# Altium PCB HV_DAC_8ch-DIOT.PCBDOC (part 4 of 11) (continued)
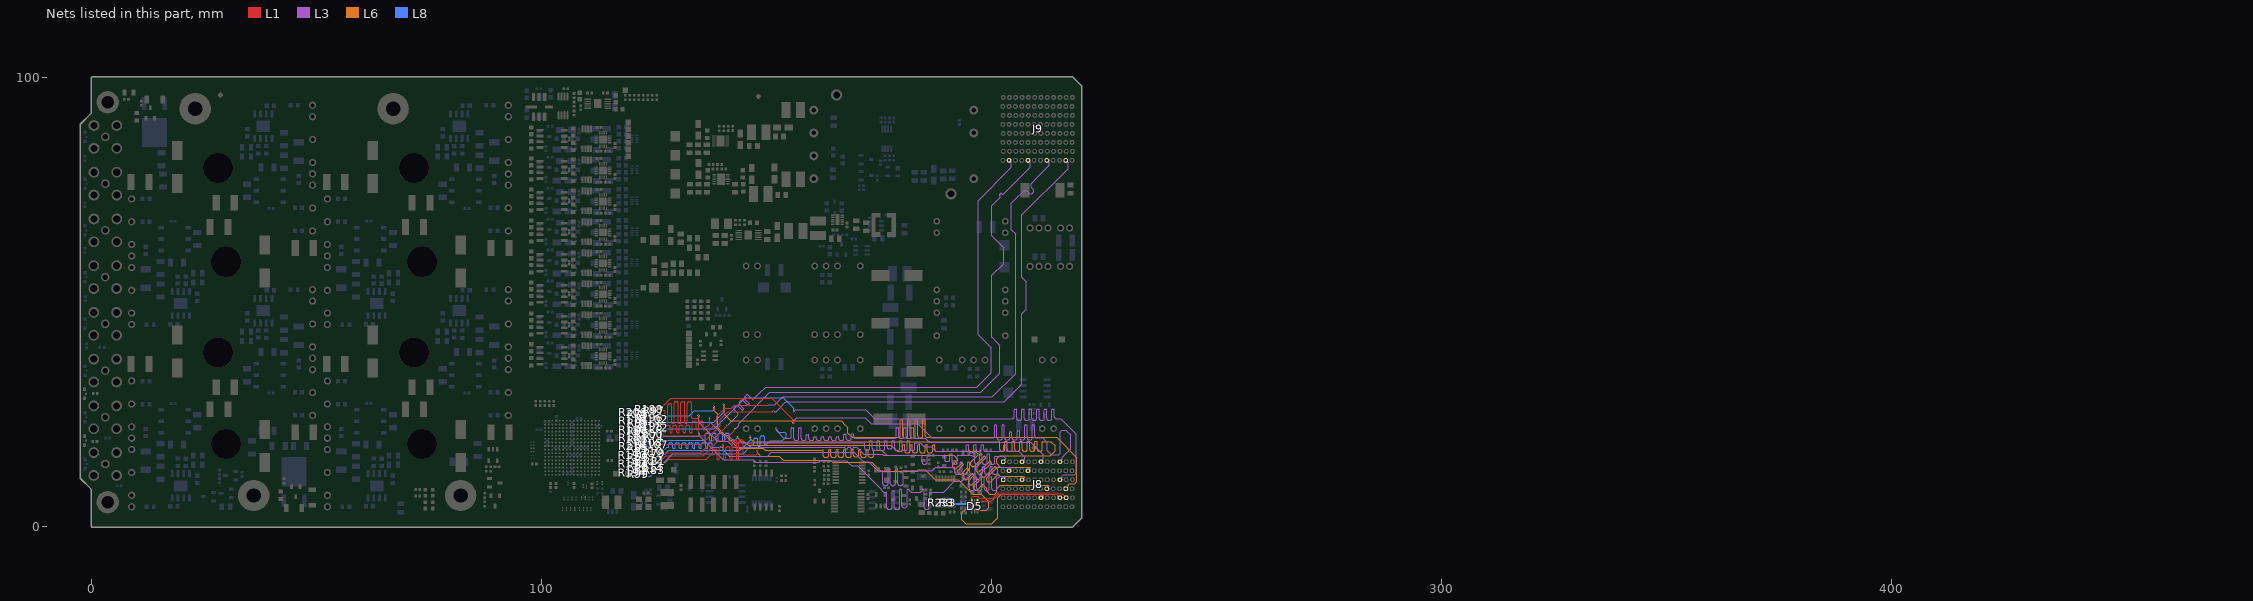
[diagram p10: the nets of this part, all layers, seen from the top]
## Nets (pads, with @x,y where several pads share a name; then routed paths per layer and width w, separated by ;. In a path a pad name is that pad's centre, name@x,y a point inside that pad or via, vN(x,y) a via of type N, cw(c..) or ccw(c..) an arc to the next point about the centre after c; other vN are vias at no path point) (continued)
  L8 w0.1: R206.2@120.675,25.451 120.695,25.451 120.855,25.291 120.855,25.26 120.914,25.201 121.207,25.201 121.266,25.26 121.266,25.318 121.506,25.558 R75.1@121.526,25.558 121.546,25.558 121.786,25.318 121.786,25.26 121.845,25.201 122.133,25.201 122.644,24.691 132.87,24.691 133.979,25.8 138.1,25.8 138.42,26.12 138.42,26.591 138.27,26.741 v1(138.27,26.8)
BP_IO.LVDS_N1: J8.B3 R95.1 R176.2 | length 147.1
  L6 w0.1: v1(140.473,27.3) 140.473,27.219 140.57,27.121 140.57,25.06 142.06,23.57 166.66,23.57 167.565,22.665 168.1,22.13 168.1,20.862 169.062,19.9 175.8,19.9 179.353,19.9 ccw(c179.353,20.333) 179.786,20.333 179.786,23.693 cw(c179.886,23.693) 179.886,23.793 180.188,23.793 cw(c180.188,23.693) 180.288,23.693 180.288,20.233 ccw(c180.721,20.233) 180.721,19.8 181.022,19.8 ccw(c181.022,20.233) 181.455,20.233 181.455,23.693 cw(c181.555,23.693) 181.555,23.793 181.856,23.793 cw(c181.856,23.693) 181.957,23.693 181.957,20.233 ccw(c182.389,20.233) 182.389,19.8 182.691,19.8 ccw(c182.691,20.233) 183.123,20.233 183.123,23.693 cw(c183.224,23.693) 183.224,23.793 183.525,23.793 cw(c183.525,23.693) 183.625,23.693 183.625,20.233 ccw(c184.058,20.233) 184.058,19.8 184.359,19.8 ccw(c184.359,20.233) 184.792,20.233 184.792,23.693 cw(c184.892,23.693) 184.892,23.793 185.194,23.793 cw(c185.194,23.693) 185.294,23.693 185.294,20.333 ccw(c185.727,20.333) 185.727,19.9 186.9,19.9 214.3,19.9 214.5,19.9 219,15.4 219,10.1 218.532,9.632 217.684,9.632 217.326,9.632 217.073,9.379 217.073,9.034 J8.B3@216.539,8.5
  L8 w0.1: R176.2@120.688,23.571 120.708,23.571 120.868,23.411 120.868,23.38 120.944,23.304 121.207,23.304 121.266,23.362 121.266,23.42 121.506,23.66 R95.1@121.526,23.66 121.546,23.66 121.786,23.42 121.786,23.362 121.845,23.304 138.304,23.304 140.623,25.623 140.623,27.091 140.473,27.241 v1(140.473,27.3)
BP_IO.LVDS_N2: J8.C4 R96.1 R180.2 | length 145.9
  L3 w0.1: v1(156.227,25.5) 156.227,25.581 156.13,25.679 156.13,25.85 156.38,26.1 172.03,26.1 173.065,25.065 174.03,24.1 204.487,24.1 204.703,24.1 ccw(c204.703,24.533) 205.136,24.533 205.136,26.105 cw(c205.236,26.105) 205.236,26.205 205.538,26.205 cw(c205.538,26.105) 205.638,26.105 205.638,24.133 ccw(c206.071,24.133) 206.071,23.7 206.372,23.7 ccw(c206.372,24.133) 206.805,24.133 206.805,26.105 cw(c206.905,26.105) 206.905,26.205 207.206,26.205 cw(c207.206,26.105) 207.307,26.105 207.307,24.133 ccw(c207.739,24.133) 207.739,23.7 208.04,23.7 ccw(c208.04,24.133) 208.473,24.133 208.473,26.105 cw(c208.574,26.105) 208.574,26.205 208.875,26.205 cw(c208.875,26.105) 208.975,26.105 208.975,24.133 ccw(c209.408,24.133) 209.408,23.7 209.709,23.7 ccw(c209.709,24.133) 210.142,24.133 210.142,26.105 cw(c210.242,26.105) 210.242,26.205 210.543,26.205 cw(c210.543,26.105) 210.644,26.105 210.644,24.133 ccw(c211.076,24.133) 211.076,23.7 211.378,23.7 ccw(c211.378,24.133) 211.81,24.133 211.81,26.105 cw(c211.911,26.105) 211.911,26.205 212.212,26.205 cw(c212.212,26.105) 212.312,26.105 212.312,24.133 ccw(c212.745,24.133) 212.745,23.7 213.046,23.7 ccw(c213.046,24.133) 213.479,24.133 213.479,26.105 cw(c213.579,26.105) 213.579,26.205 213.881,26.205 cw(c213.881,26.105) 213.981,26.105 213.981,24.533 ccw(c214.414,24.533) 214.414,24.1 215,24.1 215.4,24.1 216.871,22.629 218.9,20.6 218.9,12 218.532,11.632 216.067,11.632 215.773,11.338 215.773,11.034 J8.C4@215.239,10.5
  L8 w0.1: R180.2@120.726,21.641 120.746,21.641 120.906,21.481 120.906,21.457 120.965,21.399 121.233,21.399 121.291,21.457 121.291,21.515 121.531,21.755 R96.1@121.551,21.755 121.571,21.755 121.811,21.515 121.811,21.457 121.87,21.399 122.042,21.399 122.443,21.8 138.379,21.8 145.306,28.727 153.694,28.727 156.077,26.344 156.077,25.709 156.227,25.559 v1(156.227,25.5)
BP_IO.LVDS_N3: J8.L4 R37.1 R184.2 | length 146.3
  L3 w0.1: v1(134.973,21) 134.973,20.919 135.07,20.821 135.07,20.26 137.365,17.965 140.362,14.968 147.062,14.968 147.265,14.765 147.63,14.4 161.7,14.4 162,14.7 167.8,14.7 168.2,14.3 168.932,13.568 170.295,13.568 175.5,8.362 175.55,8.312 176.095,7.768 176.673,7.768 cw(c176.673,7.667) 176.774,7.667 176.774,4.366 ccw(c177.207,4.366) 177.207,3.933 177.508,3.933 ccw(c177.508,4.366) 177.94,4.366 177.94,7.903 cw(c178.041,7.903) 178.041,8.003 178.342,8.003 cw(c178.342,7.903) 178.442,7.903 178.442,4.366 ccw(c178.875,4.366) 178.875,3.933 179.176,3.933 ccw(c179.176,4.366) 179.609,4.366 179.609,8.267 cw(c179.709,8.267) 179.709,8.368 180.011,8.368 cw(c180.011,8.267) 180.111,8.267 180.111,4.757 ccw(c180.544,4.757) 180.544,4.325 180.845,4.325 ccw(c180.845,4.757) 181.278,4.757 181.278,8.267 cw(c181.378,8.267) 181.378,8.368 181.679,8.368 cw(c181.679,8.267) 181.78,8.267 181.78,8.2 ccw(c182.212,8.2) 182.212,7.768 184.182,7.768 ccw(c184.182,8.2) 184.615,8.2 184.615,8.267 cw(c184.715,8.267) 184.715,8.368 185.016,8.368 cw(c185.016,8.267) 185.117,8.267 185.117,4.366 ccw(c185.55,4.366) 185.55,3.933 185.851,3.933 ccw(c185.851,4.366) 186.283,4.366 186.283,7.667 cw(c186.384,7.667) 186.384,7.768 186.6,7.768 189.368,7.768 191.8,10.2 193.4,10.2 194.084,10.884 194.1,10.9 194.964,10.9 cw(c194.964,10.8) 195.065,10.8 195.065,8.579 ccw(c195.498,8.579) 195.498,8.147 195.799,8.147 ccw(c195.799,8.579) 196.231,8.579 196.231,11.021 cw(c196.332,11.021) 196.332,11.121 196.633,11.121 cw(c196.633,11.021) 196.733,11.021 196.733,8.579 ccw(c197.166,8.579) 197.166,8.147 197.467,8.147 ccw(c197.467,8.579) 197.9,8.579 197.9,11.021 cw(c198,11.021) 198,11.121 198.302,11.121 cw(c198.302,11.021) 198.402,11.021 198.402,8.579 ccw(c198.835,8.579) 198.835,8.147 199.136,8.147 ccw(c199.136,8.579) 199.569,8.579 199.569,11.021 cw(c199.669,11.021) 199.669,11.121 199.97,11.121 cw(c199.97,11.021) 200.071,11.021 200.071,8.579 ccw(c200.503,8.579) 200.503,8.147 200.805,8.147 ccw(c200.805,8.579) 201.237,8.579 201.237,10.8 cw(c201.338,10.8) 201.338,10.9 201.47,10.9 201.554,10.984 201.87,11.3 203.073,11.3 203.173,11.2 203.173,11.034 J8.L4@202.639,10.5
  L8 w0.1: R184.2@120.713,19.838 120.733,19.838 120.893,19.678 120.893,19.601 120.981,19.513 121.233,19.513 121.291,19.571 121.291,19.629 121.531,19.869 R37.1@121.551,19.869 121.571,19.869 121.811,19.629 121.811,19.571 121.87,19.513 122.108,19.513 122.621,19 125.9,19 127.1,20.2 134.8,20.2 135.123,20.523 135.123,20.791 134.973,20.941 v1(134.973,21)
BP_IO.LVDS_N4: J8.I4 R85.1 R216.2 | length 146.7
  L6 w0.1: v1(143.5,20.3) 143.5,20.219 143.597,20.121 143.597,19.812 144.417,18.992 145.117,18.992 145.91,18.2 177.63,18.2 179.03,16.8 179.6,16.8 179.816,16.8 ccw(c179.816,17.233) 180.249,17.233 180.249,18.222 cw(c180.349,18.222) 180.349,18.322 180.65,18.322 cw(c180.65,18.222) 180.751,18.222 180.751,16.892 ccw(c181.184,16.892) 181.184,16.459 181.485,16.459 ccw(c181.485,16.892) 181.917,16.892 181.917,18.222 cw(c182.018,18.222) 182.018,18.322 182.319,18.322 cw(c182.319,18.222) 182.419,18.222 182.419,16.892 ccw(c182.852,16.892) 182.852,16.459 183.153,16.459 ccw(c183.153,16.892) 183.586,16.892 183.586,18.222 cw(c183.686,18.222) 183.686,18.322 183.988,18.322 cw(c183.988,18.222) 184.088,18.222 184.088,16.892 ccw(c184.521,16.892) 184.521,16.459 184.822,16.459 ccw(c184.822,16.892) 185.255,16.892 185.255,18.222 cw(c185.355,18.222) 185.355,18.322 185.656,18.322 cw(c185.656,18.222) 185.757,18.222 185.757,16.892 ccw(c186.189,16.892) 186.189,16.459 186.491,16.459 ccw(c186.491,16.892) 186.923,16.892 186.923,18.222 cw(c187.024,18.222) 187.024,18.322 187.325,18.322 cw(c187.325,18.222) 187.425,18.222 187.425,17.233 ccw(c187.858,17.233) 187.858,16.8 189.4,16.8 195.994,16.8 196.4,16.8 197.041,16.159 cw(c196.97,16.088) 197.041,16.017 195.39,14.366 ; 195.389,14.365 ccw(c195.695,14.06) 195.389,13.754 195.602,13.541 ccw(c195.908,13.847) 196.214,13.541 198.413,15.74 cw(c198.483,15.668) 198.555,15.739 ; 196.569,13.186 ccw(c196.875,12.88) 196.569,12.574 196.782,12.361 ccw(c197.088,12.667) 197.394,12.361 199.593,14.56 cw(c199.663,14.488) 199.735,14.559 ; 196.569,13.186 198.767,15.384 ccw(c198.696,15.455) 198.767,15.527 198.555,15.738 ; 197.749,12.006 ccw(c198.054,11.7) 197.749,11.394 197.961,11.181 ccw(c198.267,11.487) 198.573,11.181 200.772,13.38 cw(c200.843,13.309) 200.915,13.379 ; 197.749,12.007 199.947,14.205 ccw(c199.876,14.275) 199.947,14.347 199.735,14.559 ; 199.024,10.921 ccw(c199.33,10.615) 199.024,10.309 199.237,10.096 ccw(c199.543,10.402) 199.849,10.096 201.405,11.653 cw(c201.476,11.582) 201.548,11.652 201.596,11.604 201.7,11.5 201.9,11.3 207.189,11.3 207.373,11.117 207.373,11.034 J8.I4@206.839,10.5 ; 199.025,10.922 201.127,13.025 ccw(c201.056,13.096) 201.127,13.167 200.915,13.379
  L8 w0.1: R216.2@120.713,17.907 120.733,17.907 120.893,17.747 120.893,17.711 120.982,17.622 121.237,17.622 121.295,17.681 121.295,17.739 121.535,17.979 R85.1@121.555,17.979 121.575,17.979 121.815,17.739 121.815,17.681 121.874,17.622 122.049,17.622 122.108,17.681 122.427,18 126.4,18 127.627,19.227 136.141,19.227 136.305,19.227 ccw(c136.305,19.327) 136.405,19.327 136.405,20.489 cw(c136.733,20.489) 136.733,20.817 137.034,20.817 cw(c137.034,20.489) 137.361,20.489 137.361,19.241 ccw(c137.462,19.241) 137.462,19.14 137.763,19.14 ccw(c137.763,19.241) 137.863,19.241 137.863,20.489 cw(c138.191,20.489) 138.191,20.817 138.492,20.817 cw(c138.492,20.489) 138.819,20.489 138.819,19.186 ccw(c138.92,19.186) 138.92,19.085 139.221,19.085 ccw(c139.221,19.186) 139.321,19.186 139.321,20.489 cw(c139.649,20.489) 139.649,20.817 139.95,20.817 cw(c139.95,20.489) 140.277,20.489 140.277,19.186 ccw(c140.378,19.186) 140.378,19.085 140.679,19.085 ccw(c140.679,19.186) 140.779,19.186 140.779,20.489 cw(c141.107,20.489) 141.107,20.817 141.408,20.817 cw(c141.408,20.489) 141.735,20.489 141.735,19.327 ccw(c141.836,19.327) 141.836,19.227 142.236,19.227 142.922,19.227 143.65,19.955 143.65,20.091 143.5,20.241 v1(143.5,20.3)
BP_IO.LVDS_N5: J8.K5 R59.1 R190.2 | length 146
  L3 w0.1: v1(140.273,18.2) 140.273,18.119 140.37,18.021 140.37,17.168 141.77,15.768 150.238,15.768 151.07,16.6 169.5,16.6 170.9,15.2 171.6,14.5 172.73,14.5 174.703,12.527 174.772,12.527 174.919,12.527 175.768,12.527 cw(c175.768,12.427) 175.868,12.427 175.868,9.653 ccw(c176.301,9.653) 176.301,9.221 176.602,9.221 ccw(c176.602,9.653) 177.035,9.653 177.035,12.797 cw(c177.135,12.797) 177.135,12.897 177.437,12.897 cw(c177.437,12.797) 177.537,12.797 177.537,9.653 ccw(c177.97,9.653) 177.97,9.221 178.271,9.221 ccw(c178.271,9.653) 178.704,9.653 178.704,12.813 cw(c178.804,12.813) 178.804,12.914 179.105,12.914 cw(c179.105,12.813) 179.206,12.813 179.206,9.653 ccw(c179.638,9.653) 179.638,9.221 179.939,9.221 ccw(c179.939,9.653) 180.372,9.653 180.372,12.427 cw(c180.473,12.427) 180.473,12.527 180.689,12.527 186.897,12.527 187.67,13.3 191.243,13.3 191.791,13.3 cw(c191.791,13.2) 191.891,13.2 191.891,12.173 ccw(c192.324,12.173) 192.324,11.741 192.625,11.741 ccw(c192.625,12.173) 193.058,12.173 193.058,14.333 cw(c193.158,14.333) 193.158,14.433 193.459,14.433 cw(c193.459,14.333) 193.56,14.333 193.56,12.173 ccw(c193.992,12.173) 193.992,11.741 194.293,11.741 ccw(c194.293,12.173) 194.726,12.173 194.726,14.333 cw(c194.827,14.333) 194.827,14.433 195.128,14.433 cw(c195.128,14.333) 195.228,14.333 195.228,12.173 ccw(c195.661,12.173) 195.661,11.741 195.962,11.741 ccw(c195.962,12.173) 196.395,12.173 196.395,13.315 cw(c196.495,13.315) 196.495,13.416 196.796,13.416 cw(c196.796,13.315) 196.897,13.315 196.897,12.173 ccw(c197.329,12.173) 197.329,11.741 197.631,11.741 ccw(c197.631,12.173) 198.063,12.173 198.063,13.315 cw(c198.164,13.315) 198.164,13.416 198.465,13.416 cw(c198.465,13.315) 198.565,13.315 198.565,12.173 ccw(c198.998,12.173) 198.998,11.741 199.299,11.741 ccw(c199.299,12.173) 199.732,12.173 199.732,13.315 cw(c199.832,13.315) 199.832,13.416 200.134,13.416 cw(c200.134,13.315) 200.234,13.315 200.234,12.173 ccw(c200.667,12.173) 200.667,11.741 200.968,11.741 ccw(c200.968,12.173) 201.401,12.173 201.401,13.2 cw(c201.501,13.2) 201.501,13.3 201.717,13.3 204.414,13.3 204.473,13.241 204.473,13.034 J8.K5@203.939,12.5
  L8 w0.1: R190.2@120.624,15.9 120.644,15.9 120.804,15.74 120.804,15.711 120.863,15.653 121.148,15.653 121.207,15.711 121.207,15.769 121.447,16.009 R59.1@121.467,16.009 121.487,16.009 121.727,15.769 121.727,15.711 121.785,15.653 122.268,15.653 122.661,15.261 125.361,15.261 127.827,17.727 127.99,17.727 128.154,17.727 ccw(c128.154,17.827) 128.254,17.827 128.254,18.359 cw(c128.581,18.359) 128.581,18.686 128.883,18.686 cw(c128.883,18.359) 129.21,18.359 129.21,17.581 ccw(c129.31,17.581) 129.31,17.481 129.612,17.481 ccw(c129.612,17.581) 129.712,17.581 129.712,18.359 cw(c130.039,18.359) 130.039,18.686 130.341,18.686 cw(c130.341,18.359) 130.668,18.359 130.668,17.581 ccw(c130.768,17.581) 130.768,17.481 131.07,17.481 ccw(c131.07,17.581) 131.17,17.581 131.17,18.359 cw(c131.497,18.359) 131.497,18.686 131.799,18.686 cw(c131.799,18.359) 132.126,18.359 132.126,17.581 ccw(c132.226,17.581) 132.226,17.481 132.528,17.481 ccw(c132.528,17.581) 132.628,17.581 132.628,18.359 cw(c132.955,18.359) 132.955,18.686 133.257,18.686 cw(c133.257,18.359) 133.584,18.359 133.584,17.581 ccw(c133.684,17.581) 133.684,17.481 133.986,17.481 ccw(c133.986,17.581) 134.086,17.581 134.086,18.359 cw(c134.413,18.359) 134.413,18.686 134.715,18.686 cw(c134.715,18.359) 135.042,18.359 135.042,17.581 ccw(c135.142,17.581) 135.142,17.481 135.444,17.481 ccw(c135.444,17.581) 135.544,17.581 135.544,18.359 cw(c135.871,18.359) 135.871,18.686 136.173,18.686 cw(c136.173,18.359) 136.5,18.359 136.5,17.581 ccw(c136.6,17.581) 136.6,17.481 136.902,17.481 ccw(c136.902,17.581) 137.002,17.581 137.002,18.359 cw(c137.329,18.359) 137.329,18.686 137.631,18.686 cw(c137.631,18.359) 137.958,18.359 137.958,17.827 ccw(c138.058,17.827) 138.058,17.727 140.313,17.727 140.364,17.727 140.423,17.786 140.423,17.991 140.273,18.141 v1(140.273,18.2)
BP_IO.LVDS_N6: J8.H5 R98.1 R192.2 | length 146.2
  L6 w0.1: v1(146.35,20.1) 146.35,20.019 146.447,19.921 146.447,19.612 147.06,19 195.9,19 200.757,19 201.73,19 cw(c201.73,18.9) 201.831,18.9 201.831,17.292 ccw(c202.263,17.292) 202.263,16.859 202.564,16.859 ccw(c202.564,17.292) 202.997,17.292 202.997,18.913 cw(c203.098,18.913) 203.098,19.013 203.399,19.013 cw(c203.399,18.913) 203.499,18.913 203.499,17.292 ccw(c203.932,17.292) 203.932,16.859 204.233,16.859 ccw(c204.233,17.292) 204.666,17.292 204.666,18.913 cw(c204.766,18.913) 204.766,19.013 205.067,19.013 cw(c205.067,18.913) 205.168,18.913 205.168,17.292 ccw(c205.6,17.292) 205.6,16.859 205.902,16.859 ccw(c205.902,17.292) 206.334,17.292 206.334,18.913 cw(c206.435,18.913) 206.435,19.013 206.736,19.013 cw(c206.736,18.913) 206.836,18.913 206.836,17.292 ccw(c207.269,17.292) 207.269,16.859 207.57,16.859 ccw(c207.57,17.292) 208.003,17.292 208.003,18.913 cw(c208.103,18.913) 208.103,19.013 208.404,19.013 cw(c208.404,18.913) 208.505,18.913 208.505,17.292 ccw(c208.938,17.292) 208.938,16.859 209.239,16.859 ccw(c209.239,17.292) 209.671,17.292 209.671,18.913 cw(c209.772,18.913) 209.772,19.013 210.073,19.013 cw(c210.073,18.913) 210.173,18.913 210.173,17.292 ccw(c210.606,17.292) 210.606,16.859 210.907,16.859 ccw(c210.907,17.292) 211.34,17.292 211.34,18.9 cw(c211.44,18.9) 211.44,19 211.657,19 213.23,19 214.2,18.03 214.2,16.9 213.132,15.832 201.862,15.832 201.168,15.138 201.168,14.132 202,13.3 208.489,13.3 208.673,13.117 208.673,13.034 J8.H5@208.139,12.5
  L8 w0.1: R192.2@120.599,14.019 120.619,14.019 120.779,13.859 120.779,13.829 120.86,13.748 121.148,13.748 121.207,13.806 121.207,13.864 121.447,14.104 R98.1@121.467,14.104 121.487,14.104 121.727,13.864 121.727,13.806 121.785,13.748 122.02,13.748 122.332,14.061 125.361,14.061 128.327,17.027 144.127,17.027 146.5,19.4 146.5,20 146.4,20.1 v1(146.35,20.1)
BP_IO.LVDS_N7: J8.F6 R99.1 R194.2 | length 145.8
  L3 w0.1: 152.247,21.721 152.247,21.383 153.768,19.862 153.93,19.7 154.9,19.7 155.116,19.7 ccw(c155.116,20.133) 155.549,20.133 155.549,21.994 cw(c155.649,21.994) 155.649,22.094 155.95,22.094 cw(c155.95,21.994) 156.051,21.994 156.051,19.692 ccw(c156.484,19.692) 156.484,19.259 156.785,19.259 ccw(c156.785,19.692) 157.217,19.692 157.217,21.994 cw(c157.318,21.994) 157.318,22.094 157.619,22.094 cw(c157.619,21.994) 157.719,21.994 157.719,19.692 ccw(c158.152,19.692) 158.152,19.259 158.453,19.259 ccw(c158.453,19.692) 158.886,19.692 158.886,20.423 cw(c158.986,20.423) 158.986,20.523 159.288,20.523 cw(c159.288,20.423) 159.388,20.423 159.388,19.692 ccw(c159.821,19.692) 159.821,19.259 160.122,19.259 ccw(c160.122,19.692) 160.555,19.692 160.555,19.947 cw(c160.655,19.947) 160.655,20.048 160.956,20.048 cw(c160.956,19.947) 161.057,19.947 161.057,19.692 ccw(c161.489,19.692) 161.489,19.259 161.791,19.259 ccw(c161.791,19.692) 162.223,19.692 162.223,19.947 cw(c162.324,19.947) 162.324,20.048 162.625,20.048 cw(c162.625,19.947) 162.725,19.947 162.725,19.692 ccw(c163.158,19.692) 163.158,19.259 163.459,19.259 ccw(c163.459,19.692) 163.892,19.692 163.892,19.947 cw(c163.992,19.947) 163.992,20.048 164.293,20.048 cw(c164.293,19.947) 164.394,19.947 164.394,19.692 ccw(c164.827,19.692) 164.827,19.259 165.128,19.259 ccw(c165.128,19.692) 165.56,19.692 165.56,19.947 cw(c165.661,19.947) 165.661,20.048 165.962,20.048 cw(c165.962,19.947) 166.062,19.947 166.062,19.692 ccw(c166.495,19.692) 166.495,19.259 166.796,19.259 ccw(c166.796,19.692) 167.229,19.692 167.229,20.52 cw(c167.329,20.52) 167.329,20.62 167.631,20.62 cw(c167.631,20.52) 167.731,20.52 167.731,19.692 ccw(c168.164,19.692) 168.164,19.259 168.465,19.259 ccw(c168.465,19.692) 168.898,19.692 168.898,20.571 cw(c168.998,20.571) 168.998,20.672 169.299,20.672 cw(c169.299,20.571) 169.4,20.571 169.4,20.133 ccw(c169.832,20.133) 169.832,19.7 178.477,19.7 ccw(c178.477,20.133) 178.909,20.133 178.909,21.994 cw(c179.01,21.994) 179.01,22.094 179.311,22.094 cw(c179.311,21.994) 179.411,21.994 179.411,20.133 ccw(c179.844,20.133) 179.844,19.7 180.145,19.7 ccw(c180.145,20.133) 180.578,20.133 180.578,21.994 cw(c180.678,21.994) 180.678,22.094 180.979,22.094 cw(c180.979,21.994) 181.08,21.994 181.08,20.133 ccw(c181.513,20.133) 181.513,19.7 181.814,19.7 ccw(c181.814,20.133) 182.246,20.133 182.246,21.994 cw(c182.347,21.994) 182.347,22.094 182.648,22.094 cw(c182.648,21.994) 182.748,21.994 182.748,20.133 ccw(c183.181,20.133) 183.181,19.7 185.1,19.7 185.262,19.7 186.162,18.8 208.8,18.8 210.7,16.9 211.573,16.027 211.573,15.034 J8.F6@211.039,14.5
  L8 w0.1: R194.2@120.624,12.09 120.644,12.09 120.804,11.93 120.804,11.907 120.868,11.843 121.148,11.843 121.207,11.901 121.207,11.959 121.447,12.199 R99.1@121.467,12.199 121.487,12.199 121.727,11.959 121.727,11.901 121.785,11.843 122.178,11.843 122.721,11.3 124.2,11.3 129.2,16.3 144.8,16.3 146.727,18.227 146.9,18.227 147.064,18.227 ccw(c147.064,18.327) 147.164,18.327 147.164,19.396 cw(c147.491,19.396) 147.491,19.723 147.793,19.723 cw(c147.793,19.396) 148.12,19.396 148.12,18.054 ccw(c148.22,18.054) 148.22,17.954 148.522,17.954 ccw(c148.522,18.054) 148.622,18.054 148.622,19.926 cw(c148.949,19.926) 148.949,20.253 149.251,20.253 cw(c149.251,19.926) 149.578,19.926 149.578,18.327 ccw(c149.678,18.327) 149.678,18.227 149.927,18.227 150.3,18.6 150.9,19.2 153.5,19.2 154.4,20.1 154.4,20.7 154.027,21.073 152.688,21.073 152.3,21.461 152.3,21.691 152.15,21.841 v1(152.15,21.9)
BP_IO.LVDS_N8: J8.C6 R97.1 R188.2 | length 146
  L1 w0.1: R188.2@124.28,26.195 124.44,26.035 124.44,26.012 124.499,25.953 124.78,25.953 124.839,26.012 124.839,26.07 125.079,26.31 R97.1@125.099,26.31 125.119,26.31 125.359,26.07 125.359,26.012 125.417,25.953 126.032,25.953 128.706,28.627 151.194,28.627 155.85,23.971 155.85,23.309 156,23.159 v1(156,23.1)
  L3 w0.1: v1(156,23.1) 156,23.181 155.903,23.279 155.903,23.45 156.718,24.265 171.965,24.265 173.33,22.9 183.63,22.9 185.065,21.465 186.73,19.8 200.1,19.8 200.316,19.8 ccw(c200.316,20.233) 200.749,20.233 200.749,22.592 cw(c200.849,22.592) 200.849,22.693 201.15,22.693 cw(c201.15,22.592) 201.251,22.592 201.251,19.792 ccw(c201.684,19.792) 201.684,19.359 201.985,19.359 ccw(c201.985,19.792) 202.417,19.792 202.417,22.592 cw(c202.518,22.592) 202.518,22.693 202.819,22.693 cw(c202.819,22.592) 202.919,22.592 202.919,19.792 ccw(c203.352,19.792) 203.352,19.359 203.653,19.359 ccw(c203.653,19.792) 204.086,19.792 204.086,21.111 cw(c204.186,21.111) 204.186,21.212 204.488,21.212 cw(c204.488,21.111) 204.588,21.111 204.588,19.792 ccw(c205.021,19.792) 205.021,19.359 205.322,19.359 ccw(c205.322,19.792) 205.755,19.792 205.755,21.254 cw(c205.855,21.254) 205.855,21.354 206.156,21.354 cw(c206.156,21.254) 206.257,21.254 206.257,19.792 ccw(c206.689,19.792) 206.689,19.359 206.991,19.359 ccw(c206.991,19.792) 207.423,19.792 207.423,22.592 cw(c207.524,22.592) 207.524,22.693 207.825,22.693 cw(c207.825,22.592) 207.925,22.592 207.925,19.792 ccw(c208.358,19.792) 208.358,19.359 208.659,19.359 ccw(c208.659,19.792) 209.092,19.792 209.092,22.592 cw(c209.192,22.592) 209.192,22.693 209.493,22.693 cw(c209.493,22.592) 209.594,22.592 209.594,20.233 ccw(c210.027,20.233) 210.027,19.8 210.6,19.8 211.4,19.8 212.2,19 212.468,18.732 212.468,16.962 213.362,16.068 214.938,16.068 215.3,16.43 215.3,21.1 215.7,21.5 216.6,21.5 216.9,21.2 217.6,20.5 217.6,17.37 215.773,15.543 215.773,15.034 J8.C6@215.239,14.5
BP_IO.LVDS_N9: J8.L6 R102.1 R196.2 | length 147.4
  L1 w0.1: R196.2@124.26,24.316 124.28,24.316 124.44,24.156 124.44,24.132 124.499,24.074 124.78,24.074 124.839,24.132 124.839,24.19 125.079,24.43 R102.1@125.099,24.43 125.119,24.43 125.359,24.19 125.359,24.132 125.417,24.074 125.784,24.074 125.85,24.14 126.3,24.14 126.464,24.14 ccw(c126.464,24.24) 126.564,24.24 126.564,25.582 cw(c126.891,25.582) 126.891,25.909 127.193,25.909 cw(c127.193,25.582) 127.52,25.582 127.52,23.122 ccw(c127.62,23.122) 127.62,23.021 127.922,23.021 ccw(c127.922,23.122) 128.022,23.122 128.022,27.04 cw(c128.349,27.04) 128.349,27.367 128.651,27.367 cw(c128.651,27.04) 128.978,27.04 128.978,23.122 ccw(c129.078,23.122) 129.078,23.021 129.38,23.021 ccw(c129.38,23.122) 129.48,23.122 129.48,27.508 cw(c129.807,27.508) 129.807,27.836 130.109,27.836 cw(c130.109,27.508) 130.436,27.508 130.436,23.122 ccw(c130.536,23.122) 130.536,23.021 130.837,23.021 ccw(c130.837,23.122) 130.938,23.122 130.938,27.508 cw(c131.265,27.508) 131.265,27.836 131.566,27.836 cw(c131.566,27.508) 131.894,27.508 131.894,23.122 ccw(c131.994,23.122) 131.994,23.021 132.295,23.021 ccw(c132.295,23.122) 132.396,23.122 132.396,27.508 cw(c132.723,27.508) 132.723,27.836 133.024,27.836 cw(c133.024,27.508) 133.352,27.508 133.352,24.24 ccw(c133.452,24.24) 133.452,24.14 134.5,24.14 134.705,24.14 135.02,24.455 135.02,24.591 134.87,24.741 v1(134.87,24.8)
  L3 w0.1: v1(134.87,24.8) 134.87,24.719 134.968,24.621 134.968,23.262 136.465,21.765 139.162,19.068 141.432,19.068 142.732,17.768 167.078,17.768 167.403,17.768 cw(c167.403,17.647) 167.524,17.647 167.524,17.488 ccw(c167.644,17.488) 167.644,17.368 168.005,17.368 ccw(c168.005,17.488) 168.126,17.488 168.126,17.647 cw(c168.246,17.647) 168.246,17.768 168.607,17.768 cw(c168.607,17.647) 168.728,17.647 168.728,17.488 ccw(c168.848,17.488) 168.848,17.368 169.209,17.368 ccw(c169.209,17.488) 169.33,17.488 169.33,17.647 cw(c169.45,17.647) 169.45,17.768 169.5,17.768 170.032,17.768 171.632,16.168 175.762,16.168 175.962,15.968 183.4,15.968 184.499,15.968 cw(c184.499,15.867) 184.599,15.867 184.599,14.408 ccw(c185.032,14.408) 185.032,13.975 185.333,13.975 ccw(c185.333,14.408) 185.766,14.408 185.766,15.867 cw(c185.866,15.867) 185.866,15.968 189.505,15.968 cw(c189.505,15.867) 189.605,15.867 189.605,15.01 ccw(c190.038,15.01) 190.038,14.577 190.339,14.577 ccw(c190.339,15.01) 190.772,15.01 190.772,16.14 cw(c190.872,16.14) 190.872,16.241 191.173,16.241 cw(c191.173,16.14) 191.274,16.14 191.274,14.408 ccw(c191.707,14.408) 191.707,13.975 192.008,13.975 ccw(c192.008,14.408) 192.44,14.408 192.44,15.867 cw(c192.541,15.867) 192.541,15.968 195.595,15.968 195.862,15.7 196.179,15.7 cw(c196.179,15.6) 196.28,15.6 196.28,14.408 ccw(c196.712,14.408) 196.712,13.975 197.014,13.975 ccw(c197.014,14.408) 197.446,14.408 197.446,16.14 cw(c197.547,16.14) 197.547,16.241 197.848,16.241 cw(c197.848,16.14) 197.948,16.14 197.948,14.408 ccw(c198.381,14.408) 198.381,13.975 198.682,13.975 ccw(c198.682,14.408) 199.115,14.408 199.115,16.14 cw(c199.215,16.14) 199.215,16.241 199.516,16.241 cw(c199.516,16.14) 199.617,16.14 199.617,14.408 ccw(c200.05,14.408) 200.05,13.975 200.351,13.975 ccw(c200.351,14.408) 200.783,14.408 200.783,15.6 cw(c200.884,15.6) 200.884,15.7 201.1,15.7 202.773,15.7 203.173,15.3 203.173,15.034 J8.L6@202.639,14.5
BP_IO.LVDS_N10: J8.I6 R172.1 R198.2 | length 147.1
  L1 w0.1: R198.2@124.26,22.438 124.28,22.438 124.44,22.278 124.44,22.255 124.499,22.196 124.78,22.196 124.839,22.255 124.839,22.313 125.079,22.553 R172.1@125.099,22.553 125.119,22.553 125.359,22.313 125.359,22.255 125.417,22.196 125.672,22.196 125.784,22.196 125.85,22.263 126.096,22.263 ccw(c126.096,22.363) 126.196,22.363 126.196,22.548 cw(c126.523,22.548) 126.523,22.875 126.825,22.875 cw(c126.825,22.548) 127.152,22.548 127.152,21.178 ccw(c127.252,21.178) 127.252,21.078 127.554,21.078 ccw(c127.554,21.178) 127.654,21.178 127.654,22.24 cw(c127.981,22.24) 127.981,22.567 128.283,22.567 cw(c128.283,22.24) 128.61,22.24 128.61,21.088 ccw(c128.71,21.088) 128.71,20.988 129.012,20.988 ccw(c129.012,21.088) 129.112,21.088 129.112,22.24 cw(c129.439,22.24) 129.439,22.567 129.741,22.567 cw(c129.741,22.24) 130.068,22.24 130.068,21.088 ccw(c130.168,21.088) 130.168,20.988 130.47,20.988 ccw(c130.47,21.088) 130.57,21.088 130.57,22.24 cw(c130.897,22.24) 130.897,22.567 131.199,22.567 cw(c131.199,22.24) 131.526,22.24 131.526,21.088 ccw(c131.626,21.088) 131.626,20.988 131.928,20.988 ccw(c131.928,21.088) 132.028,21.088 132.028,22.24 cw(c132.355,22.24) 132.355,22.567 132.657,22.567 cw(c132.657,22.24) 132.984,22.24 132.984,21.088 ccw(c133.084,21.088) 133.084,20.988 133.386,20.988 ccw(c133.386,21.088) 133.486,21.088 133.486,23.227 cw(c133.813,23.227) 133.813,23.555 134.115,23.555 cw(c134.115,23.227) 134.442,23.227 134.442,21.704 ccw(c134.542,21.704) 134.542,21.604 134.844,21.604 ccw(c134.844,21.704) 134.944,21.704 134.944,23.227 cw(c135.271,23.227) 135.271,23.555 135.573,23.555 cw(c135.573,23.227) 135.9,23.227 135.9,21.704 ccw(c136,21.704) 136,21.604 136.302,21.604 ccw(c136.302,21.704) 136.402,21.704 136.402,21.935 cw(c136.729,21.935) 136.729,22.263 136.842,22.263 136.893,22.314 137.423,22.844 137.423,24.091 137.273,24.241 v1(137.273,24.3)
  L3 w0.1: v1(137.273,24.3) 137.273,24.219 137.37,24.121 137.37,23.43 140.432,20.368 141.362,20.368 143.03,18.7 171.1,18.7 171.705,18.7 cw(c171.705,18.6) 171.805,18.6 171.805,17.521 ccw(c172.238,17.521) 172.238,17.088 172.539,17.088 ccw(c172.539,17.521) 172.972,17.521 172.972,19.04 cw(c173.072,19.04) 173.072,19.141 173.373,19.141 cw(c173.373,19.04) 173.474,19.04 173.474,17.458 ccw(c173.907,17.458) 173.907,17.025 174.208,17.025 ccw(c174.208,17.458) 174.64,17.458 174.64,19.04 cw(c174.741,19.04) 174.741,19.141 175.042,19.141 cw(c175.042,19.04) 175.142,19.04 175.142,17.458 ccw(c175.575,17.458) 175.575,17.025 175.876,17.025 ccw(c175.876,17.458) 176.309,17.458 176.309,19.04 cw(c176.409,19.04) 176.409,19.141 176.711,19.141 cw(c176.711,19.04) 176.811,19.04 176.811,17.81 ccw(c177.244,17.81) 177.244,17.377 177.545,17.377 ccw(c177.545,17.81) 177.978,17.81 177.978,19.04 cw(c178.078,19.04) 178.078,19.141 178.379,19.141 cw(c178.379,19.04) 178.48,19.04 178.48,17.458 ccw(c178.912,17.458) 178.912,17.025 179.214,17.025 ccw(c179.214,17.458) 179.646,17.458 179.646,19.04 cw(c179.747,19.04) 179.747,19.141 180.048,19.141 cw(c180.048,19.04) 180.148,19.04 180.148,17.458 ccw(c180.581,17.458) 180.581,17.025 180.882,17.025 ccw(c180.882,17.458) 181.315,17.458 181.315,19.04 cw(c181.415,19.04) 181.415,19.141 181.716,19.141 cw(c181.716,19.04) 181.817,19.04 181.817,17.458 ccw(c182.25,17.458) 182.25,17.025 182.551,17.025 ccw(c182.551,17.458) 182.983,17.458 182.983,18.6 cw(c183.084,18.6) 183.084,18.7 183.3,18.7 184.13,18.7 184.265,18.565 185.03,17.8 186.63,17.8 187.365,17.065 187.533,16.897 187.63,16.8 193.793,16.8 194.009,16.8 ccw(c194.009,17.233) 194.442,17.233 194.442,18.14 cw(c194.542,18.14) 194.542,18.241 194.844,18.241 cw(c194.844,18.14) 194.944,18.14 194.944,16.96 ccw(c195.377,16.96) 195.377,16.527 195.678,16.527 ccw(c195.678,16.96) 196.11,16.96 196.11,18.14 cw(c196.211,18.14) 196.211,18.241 196.512,18.241 cw(c196.512,18.14) 196.612,18.14 196.612,17.233 ccw(c197.045,17.233) 197.045,16.8 197.346,16.8 ccw(c197.346,17.233) 197.779,17.233 197.779,18.14 cw(c197.879,18.14) 197.879,18.241 198.181,18.241 cw(c198.181,18.14) 198.281,18.14 198.281,17.233 ccw(c198.714,17.233) 198.714,16.8 202.352,16.8 ccw(c202.352,17.233) 202.785,17.233 202.785,18.14 cw(c202.885,18.14) 202.885,18.241 203.186,18.241 cw(c203.186,18.14) 203.287,18.14 203.287,17.233 ccw(c203.72,17.233) 203.72,16.8 205.807,16.8 206.073,16.8 207.373,15.5 207.373,15.034 J8.I6@206.839,14.5
BP_IO.LVDS_N11: J9.E1 R71.1 R200.2 | length 142.3
  L1 w0.1: R200.2@124.26,20.584 124.42,20.424 124.57,20.424 124.639,20.355 124.778,20.355 124.839,20.416 124.839,20.446 125.079,20.686 R71.1@125.099,20.686 125.119,20.686 125.359,20.446 125.359,20.388 125.417,20.329 126.4,20.329 126.45,20.329 ccw(c126.45,20.43) 126.55,20.43 126.55,20.529 cw(c126.651,20.529) 126.651,20.629 126.952,20.629 cw(c126.952,20.529) 127.052,20.529 127.052,20.43 ccw(c127.153,20.43) 127.153,20.329 128.1,20.329 136.129,20.329 138.973,23.173 138.973,24.567 140.833,26.427 142.227,26.427 142.877,27.077 150.091,27.077 150.241,27.227 v1(150.3,27.227)
  L3 w0.1: v1(150.3,27.227) 150.381,27.227 150.479,27.13 151.83,27.13 153.6,28.9 200.2,28.9 205.368,34.068 205.368,65.162 204.468,66.062 204.468,71.968 205.65,73.15 206.95,74.45 cw(c207.567,73.832) 208.132,74.498 208.136,74.498 208.184,74.451 ; 208.185,74.45 208.395,74.239 ccw(c208.776,74.623) 209.159,74.24 209.244,74.325 ccw(c208.861,74.708) 209.243,75.091 ; 209.243,75.091 209.034,75.3 cw(c209.652,75.917) 209.034,76.534 209.187,76.687 210.219,77.719 211.473,78.973 212.873,80.373 212.873,80.966 J9.E1@212.339,81.5
BP_IO.LVDS_N12: J9.B1 R107.1 R208.2 | length 144.6
  L1 w0.1: R208.2@124.218,18.68 124.238,18.68 124.398,18.52 124.398,18.496 124.456,18.438 124.763,18.438 124.822,18.496 124.822,18.554 125.062,18.794 125.102,18.794 125.342,18.554 125.342,18.496 125.4,18.438 135.638,18.438 139.7,22.5 139.7,23.9 141.377,25.577 151.391,25.577 151.541,25.727 v1(151.6,25.727)
  L3 w0.1: v1(151.6,25.727) 151.681,25.727 151.779,25.63 152.13,25.63 154.3,27.8 202.9,27.8 206.8,31.7 206.8,47.37 207.8,48.37 207.8,54.5 206.9,55.4 206.803,55.497 206.803,69.373 217.073,79.643 217.073,80.966 J9.B1@216.539,81.5
BP_IO.LVDS_N13: J9.K1 R79.1 R210.2 | length 145
  L1 w0.1: R210.2@124.242,16.81 124.262,16.81 124.422,16.65 124.422,16.612 124.492,16.542 124.683,16.542 124.838,16.542 124.897,16.601 124.897,16.659 125.137,16.899 R79.1@125.157,16.899 125.177,16.899 125.417,16.659 125.417,16.601 125.475,16.542 135.342,16.542 141.2,22.4 141.2,22.6 v1(141.194,22.606)
  L3 w0.1: v1(141.194,22.606) 141.251,22.663 141.389,22.663 143.589,24.864 143.742,25.017 ccw(c143.671,25.088) 143.742,25.159 ; 143.741,25.159 142.865,26.035 cw(c143.171,26.341) 142.865,26.647 143.078,26.86 cw(c143.384,26.554) 143.69,26.86 144.624,25.926 ccw(c144.695,25.997) 144.766,25.926 144.979,26.139 ccw(c144.908,26.21) 144.979,26.281 144.045,27.215 cw(c144.351,27.521) 144.045,27.827 144.258,28.04 cw(c144.564,27.734) 144.87,28.04 145.804,27.106 ccw(c145.875,27.177) 145.946,27.106 146.159,27.319 ccw(c146.088,27.39) 146.159,27.461 145.225,28.395 cw(c145.531,28.701) 145.225,29.007 145.438,29.22 cw(c145.744,28.914) 146.05,29.22 146.927,28.343 ccw(c146.998,28.414) 147.069,28.343 148.434,29.708 149.826,31.1 196.8,31.1 200,34.3 200,39.8 199.9,39.9 197.165,42.635 197.068,42.732 197.068,72.538 204.473,79.943 204.473,80.966 J9.K1@203.939,81.5
BP_IO.LVDS_N14: J9.H1 R81.1 R212.2 | length 141.1
  L1 w0.1: R212.2@124.293,14.93 124.313,14.93 124.473,14.77 124.473,14.745 124.543,14.675 124.838,14.675 124.897,14.734 124.897,14.792 125.137,15.032 R81.1@125.157,15.032 125.177,15.032 125.417,14.792 125.417,14.734 125.475,14.675 126.475,14.675 127.6,15.8 136.005,15.8 139.319,19.114 140.493,19.114 142.573,21.194 142.942,21.563 142.942,21.775 v1(142.983,21.817)
  L3 w0.1: 143.178,21.874 143.806,22.502 143.806,22.976 150.73,29.9 197.6,29.9 201.9,34.2 201.9,40.4 201.1,41.2 200.165,42.135 200.068,42.232 200.068,55.938 202.7,58.57 202.7,62.1 202,62.8 200.068,64.732 200.068,71.391 201.892,73.215 201.927,73.25 ccw(c201.757,73.42) 201.927,73.59 201.872,73.645 cw(c202.042,73.816) 201.872,73.986 201.957,74.071 cw(c202.127,73.901) 202.298,74.071 202.353,74.016 ccw(c202.523,74.186) 202.693,74.016 202.921,74.244 208.673,79.996 208.673,80.966 J9.H1@208.139,81.5
BP_IO.LVDS_N15: J8.F2 R83.1 R214.2 | length 146.6
  L1 w0.1: R214.2@124.26,13.007 124.28,13.007 124.44,12.847 124.44,12.824 124.499,12.765 124.78,12.765 124.839,12.824 124.839,12.882 125.079,13.122 R83.1@125.099,13.122 125.119,13.122 125.359,12.882 125.359,12.824 125.417,12.765 125.965,12.765 128.227,15.027 136.606,15.027 137.606,16.027 137.8,16.027 137.964,16.027 ccw(c137.964,16.127) 138.064,16.127 138.064,16.956 cw(c138.391,16.956) 138.391,17.284 138.693,17.284 cw(c138.693,16.956) 139.02,16.956 139.02,15.085 ccw(c139.12,15.085) 139.12,14.985 139.422,14.985 ccw(c139.422,15.085) 139.522,15.085 139.522,17.496 cw(c139.849,17.496) 139.849,17.823 140.151,17.823 cw(c140.151,17.496) 140.478,17.496 140.478,15.085 ccw(c140.578,15.085) 140.578,14.985 140.88,14.985 ccw(c140.88,15.085) 140.98,15.085 140.98,17.496 cw(c141.307,17.496) 141.307,17.823 141.609,17.823 cw(c141.609,17.496) 141.936,17.496 141.936,15.085 ccw(c142.036,15.085) 142.036,14.985 142.338,14.985 ccw(c142.338,15.085) 142.438,15.085 142.438,19.028 cw(c142.765,19.028) 142.765,19.355 143.066,19.355 cw(c143.066,19.028) 143.394,19.028 143.394,15.085 ccw(c143.494,15.085) 143.494,14.985 143.795,14.985 ccw(c143.795,15.085) 143.896,15.085 143.896,19.028 cw(c144.223,19.028) 144.223,19.355 144.524,19.355 cw(c144.524,19.028) 144.852,19.028 144.852,16.127 ccw(c144.952,16.127) 144.952,16.027 145.824,16.027 147.727,16.027 148.1,16.4 148.1,16.8 148,16.9 v1(147.95,16.9)
  L6 w0.1: v1(147.95,16.9) 147.95,16.819 148.047,16.721 148.047,16.383 148.368,16.062 148.662,15.768 152.832,15.768 153.735,14.865 164.235,14.865 164.35,14.75 164.7,14.4 173.43,14.4 174.465,13.365 175.43,12.4 183.5,12.4 183.8,12.7 185.33,12.7 185.465,12.565 187.53,10.5 192.63,10.5 194.065,9.065 195.83,7.3 197.7,7.3 199.3,5.7 199.4,5.6 199.4,4.3 198.835,3.735 196.335,3.735 196.138,3.932 194.262,3.932 193.468,3.138 193.468,1.562 193.665,1.365 194.262,0.768 200.068,0.768 201.4,2.1 201.4,6.5 202.2,7.3 211.389,7.3 211.573,7.117 211.573,7.034 J8.F2@211.039,6.5